# EAGLE board Mk4 Final a Panel score 2x5 (EAGLE 9.0.1), part 28 of 29
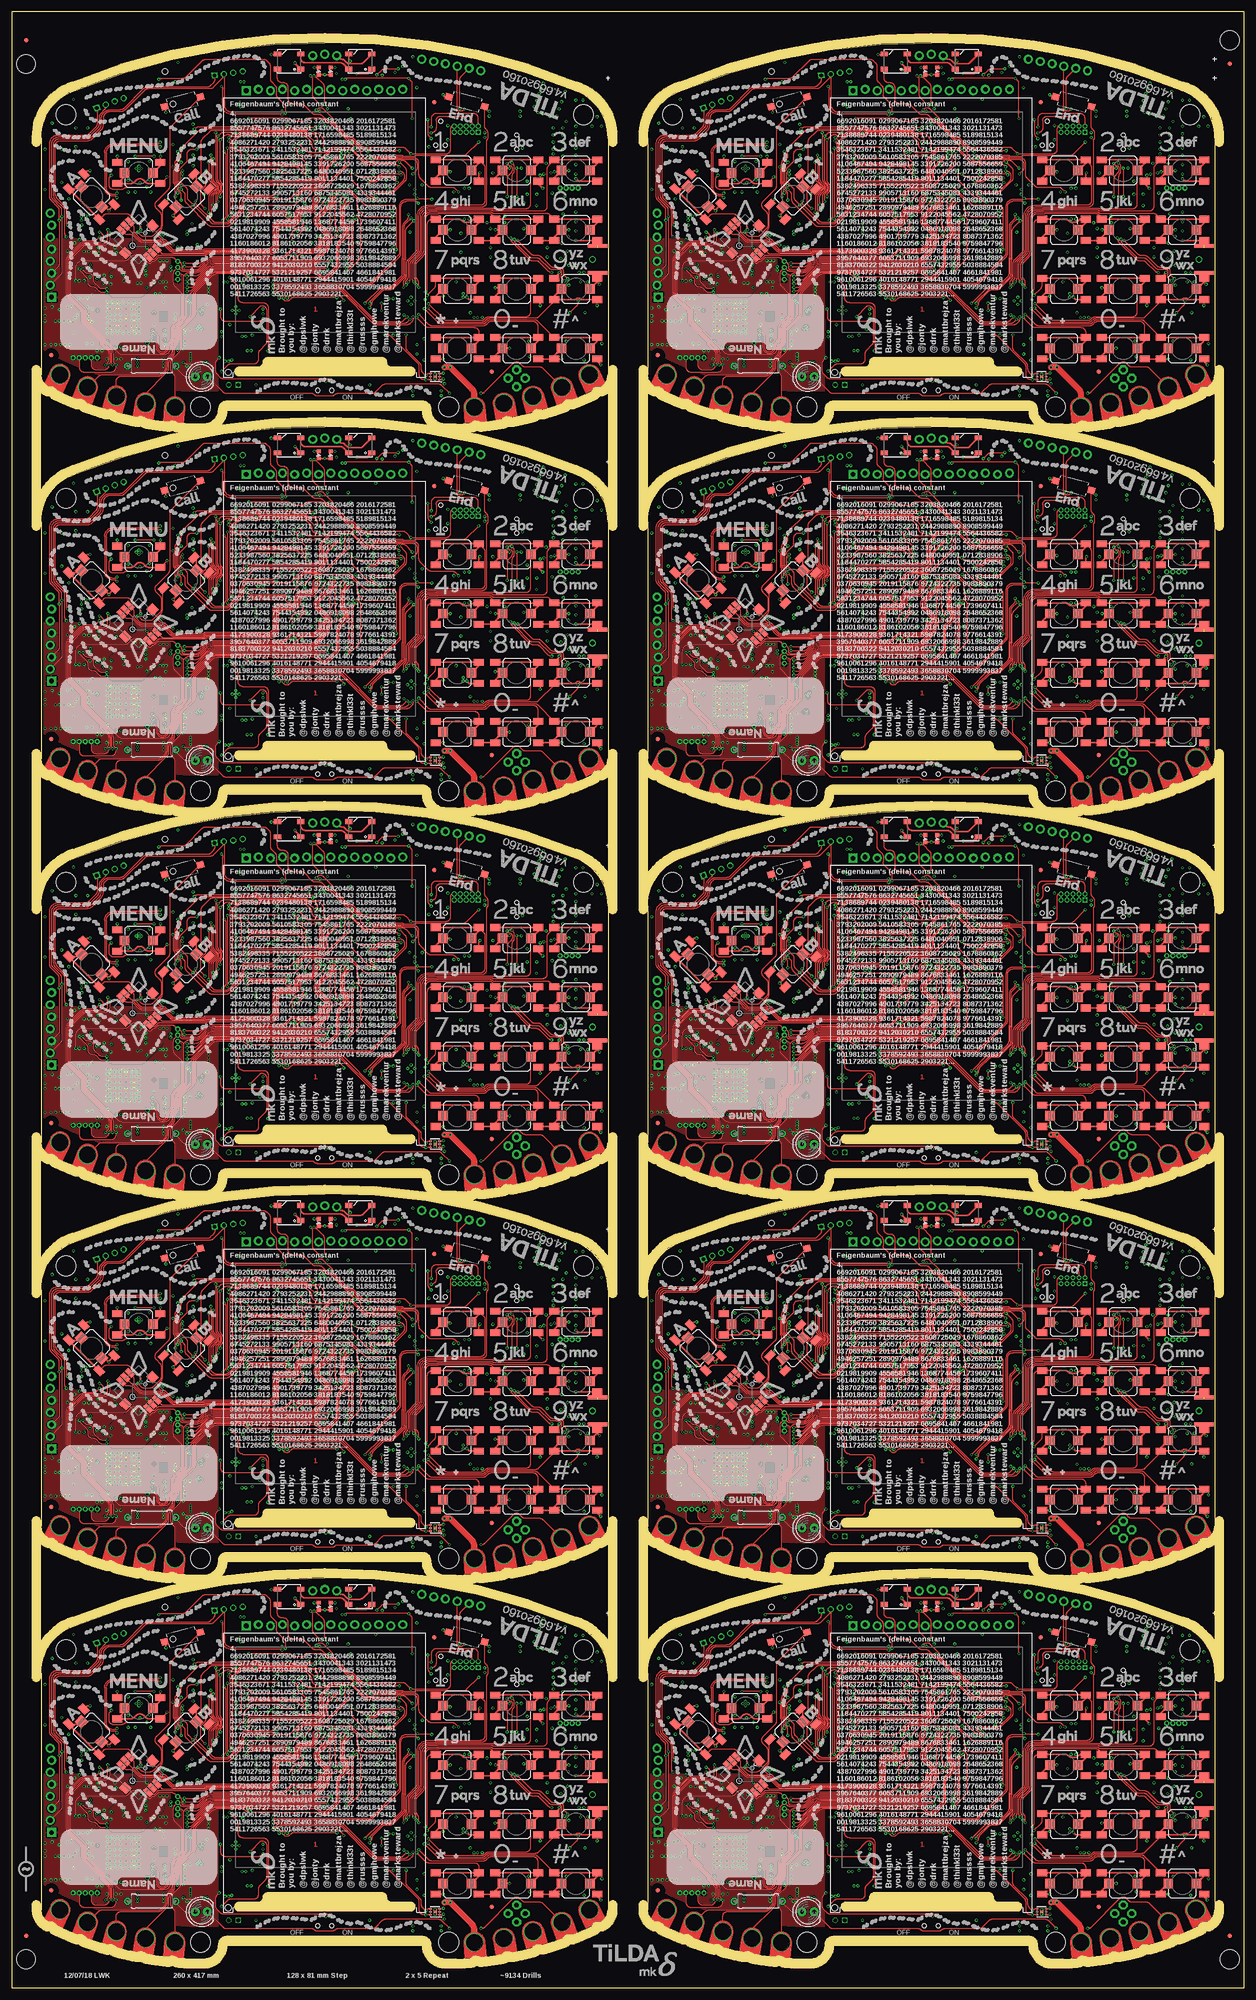
[diagram p0: board, top side]
## Tracks (layer width: path | path; a pad name or v marks a point on that pad's centre or on a via) (continued)
USB_SHIELD7 (continued)
  Bottom 0.3: U22.SHIELD@5 208.1,324.91 arc45 208.39,325.61 U22.SHIELD@2 | U22.SHIELD@2 205.84,326.72 U22.SHIELD@1 203.59,326.91 203.41,327.09 U22.SHIELD@0 202.96,327.28 U22.SHIELD@3 201.12,326.57 U22.SHIELD | R559.1 210.62,327.5 C778.2 209.04,327.38 U22.SHIELD@2
USB_SHIELD8
  Bottom 0.3: U25.SHIELD@5 80.1,405.91 arc45 80.39,406.61 U25.SHIELD@2 | U25.SHIELD@2 77.84,407.72 U25.SHIELD@1 75.59,407.91 75.41,408.09 U25.SHIELD@0 74.96,408.28 U25.SHIELD@3 73.12,407.57 U25.SHIELD | R637.1 82.62,408.5 C886.2 81.04,408.38 U25.SHIELD@2
USB_SHIELD9
  Bottom 0.3: U28.SHIELD@5 208.1,405.91 arc45 208.39,406.61 U28.SHIELD@2 | U28.SHIELD@2 205.84,407.72 U28.SHIELD@1 203.59,407.91 203.41,408.09 U28.SHIELD@0 202.96,408.28 U28.SHIELD@3 201.12,407.57 U28.SHIELD | R715.1 210.62,408.5 C994.2 209.04,408.38 U28.SHIELD@2
V_UNREG  (via drill 0.3)
  Top 0.2: v54,21.45 v54,21.44 54.08,21.52 54.08,30.6 arc90 53.08,31.6 48.75,31.6 arc-90 47.75,32.6 47.75,34.74 arc45 47.46,35.44 v45.95,36.95
  Top 1.25: 97.62,11.38 97.62,12.05 arc45 97.03,13.47 v92.5,18 v91.25,18
  Top 1.5: PCB.VBATT 97.62,11.38
  3V3@2 1.25: v49.7,21.5 v50.5,21.5 50.55,21.45 v54,21.45 79,21.45 81.25,19.2 85.55,19.2 86.75,18 v91.25,18 v92.5,18
  Bottom 0.2: 47.5,27.45 IC8.15 47.5,27 | IC8.16 47,27 | R18.2 arc90 47.05,37.2 46.55,37.2 arc45 v45.95,36.95
  Bottom 0.4: TP18.TP v50.5,21.5
  pour Bottom (no thermals): 41.5,25 41.5,24 arc90 42,23.5 43,23.5 arc-90 43.5,23 43.5,21.5 47,21.5 47.35,21.15 arc45 47.71,21 50.5,21 arc90 51,21.5 arc90 50.5,22 48.12,22 arc-48 47.75,22.17 47.13,22.86 arc-42 47,23.19 47,23.29 arc-45 47.15,23.65 47.4,23.9 arc45 47.55,24.26 47.55,27.45 47.5,27.5 47,27.5 46.7,27.2 46.7,24.45 46.15,23.9 arc-45 45.79,23.75 44.21,23.75 arc-45 43.85,23.9 43.5,24.25 43.5,25
V_UNREG1  (via drill 0.3)
  Top 0.2: v182,21.45 v182,21.44 182.07,21.52 182.07,30.6 arc90 181.07,31.6 176.75,31.6 arc-90 175.75,32.6 175.75,34.74 arc45 175.46,35.44 v173.95,36.95
  Top 1.25: 225.62,11.38 225.62,12.05 arc45 225.03,13.47 v220.5,18 v219.25,18
  Top 1.5: PCB1.VBATT 225.62,11.38
  3V3@2 1.25: v177.7,21.5 v178.5,21.5 178.55,21.45 v182,21.45 207,21.45 209.25,19.2 213.55,19.2 214.75,18 v219.25,18 v220.5,18
  Bottom 0.2: 175.5,27.45 IC24.15 175.5,27 | IC24.16 175,27 | R100.2 arc90 175.05,37.2 174.55,37.2 arc45 v173.95,36.95
  Bottom 0.4: TP37.TP v178.5,21.5
  pour Bottom (no thermals): 169.5,25 169.5,24 arc90 170,23.5 171,23.5 arc-90 171.5,23 171.5,21.5 175,21.5 175.35,21.15 arc45 175.71,21 178.5,21 arc90 179,21.5 arc90 178.5,22 176.12,22 arc-48 175.75,22.17 175.13,22.86 arc-42 175,23.19 175,23.29 arc-45 175.15,23.65 175.4,23.9 arc45 175.55,24.26 175.55,27.45 175.5,27.5 175,27.5 174.7,27.2 174.7,24.45 174.15,23.9 arc-45 173.79,23.75 172.21,23.75 arc-45 171.85,23.9 171.5,24.25 171.5,25
V_UNREG2  (via drill 0.3)
  Top 0.2: v54,102.45 v54,102.44 54.08,102.52 54.08,111.6 arc90 53.08,112.6 48.75,112.6 arc-90 47.75,113.6 47.75,115.74 arc45 47.46,116.44 v45.95,117.95
  Top 1.25: 97.62,92.38 97.62,93.06 arc45 97.03,94.47 v92.5,99 v91.25,99
  Top 1.5: PCB2.VBATT 97.62,92.38
  3V3@2 1.25: v49.7,102.5 v50.5,102.5 50.55,102.45 v54,102.45 79,102.45 81.25,100.2 85.55,100.2 86.75,99 v91.25,99 v92.5,99
  Bottom 0.2: 47.5,108.45 IC42.15 47.5,108 | IC42.16 47,108 | R178.2 arc90 47.05,118.2 46.55,118.2 arc45 v45.95,117.95
  Bottom 0.4: TP56.TP v50.5,102.5
  pour Bottom (no thermals): 41.5,106 41.5,105 arc90 42,104.5 43,104.5 arc-90 43.5,104 43.5,102.5 47,102.5 47.35,102.15 arc45 47.71,102 50.5,102 arc90 51,102.5 arc90 50.5,103 48.12,103 arc-48 47.75,103.17 47.13,103.86 arc-42 47,104.19 47,104.29 arc-45 47.15,104.65 47.4,104.9 arc45 47.55,105.26 47.55,108.45 47.5,108.5 47,108.5 46.7,108.2 46.7,105.45 46.15,104.9 arc-45 45.79,104.75 44.21,104.75 arc-45 43.85,104.9 43.5,105.25 43.5,106
V_UNREG3  (via drill 0.3)
  Top 0.2: v182,102.45 v182,102.44 182.07,102.52 182.07,111.6 arc90 181.07,112.6 176.75,112.6 arc-90 175.75,113.6 175.75,115.74 arc45 175.46,116.44 v173.95,117.95
  Top 1.25: 225.62,92.38 225.62,93.06 arc45 225.03,94.47 v220.5,99 v219.25,99
  Top 1.5: PCB3.VBATT 225.62,92.38
  3V3@2 1.25: v177.7,102.5 v178.5,102.5 178.55,102.45 v182,102.45 207,102.45 209.25,100.2 213.55,100.2 214.75,99 v219.25,99 v220.5,99
  Bottom 0.2: 175.5,108.45 IC60.15 175.5,108 | IC60.16 175,108 | R256.2 arc90 175.05,118.2 174.55,118.2 arc45 v173.95,117.95
  Bottom 0.4: TP75.TP v178.5,102.5
  pour Bottom (no thermals): 169.5,106 169.5,105 arc90 170,104.5 171,104.5 arc-90 171.5,104 171.5,102.5 175,102.5 175.35,102.15 arc45 175.71,102 178.5,102 arc90 179,102.5 arc90 178.5,103 176.12,103 arc-48 175.75,103.17 175.13,103.86 arc-42 175,104.19 175,104.29 arc-45 175.15,104.65 175.4,104.9 arc45 175.55,105.26 175.55,108.45 175.5,108.5 175,108.5 174.7,108.2 174.7,105.45 174.15,104.9 arc-45 173.79,104.75 172.21,104.75 arc-45 171.85,104.9 171.5,105.25 171.5,106
V_UNREG4  (via drill 0.3)
  Top 0.2: v54,183.45 v54,183.44 54.08,183.51 54.08,192.6 arc90 53.08,193.6 48.75,193.6 arc-90 47.75,194.6 47.75,196.74 arc45 47.46,197.44 v45.95,198.95
  Top 1.25: 97.62,173.38 97.62,174.06 arc45 97.03,175.47 v92.5,180 v91.25,180
  Top 1.5: PCB4.VBATT 97.62,173.38
  3V3@2 1.25: v49.7,183.5 v50.5,183.5 50.55,183.45 v54,183.45 79,183.45 81.25,181.2 85.55,181.2 86.75,180 v91.25,180 v92.5,180
  Bottom 0.2: 47.5,189.45 IC78.15 47.5,189 | IC78.16 47,189 | R334.2 arc90 47.05,199.2 46.55,199.2 arc45 v45.95,198.95
  Bottom 0.4: TP94.TP v50.5,183.5
  pour Bottom (no thermals): 41.5,187 41.5,186 arc90 42,185.5 43,185.5 arc-90 43.5,185 43.5,183.5 47,183.5 47.35,183.15 arc45 47.71,183 50.5,183 arc90 51,183.5 arc90 50.5,184 48.12,184 arc-48 47.75,184.17 47.13,184.86 arc-42 47,185.19 47,185.29 arc-45 47.15,185.65 47.4,185.9 arc45 47.55,186.26 47.55,189.45 47.5,189.5 47,189.5 46.7,189.2 46.7,186.45 46.15,185.9 arc-45 45.79,185.75 44.21,185.75 arc-45 43.85,185.9 43.5,186.25 43.5,187
V_UNREG5  (via drill 0.3)
  Top 0.2: v182,183.45 v182,183.44 182.07,183.51 182.07,192.6 arc90 181.07,193.6 176.75,193.6 arc-90 175.75,194.6 175.75,196.74 arc45 175.46,197.44 v173.95,198.95
  Top 1.25: 225.62,173.38 225.62,174.06 arc45 225.03,175.47 v220.5,180 v219.25,180
  Top 1.5: PCB5.VBATT 225.62,173.38
  3V3@2 1.25: v177.7,183.5 v178.5,183.5 178.55,183.45 v182,183.45 207,183.45 209.25,181.2 213.55,181.2 214.75,180 v219.25,180 v220.5,180
  Bottom 0.2: 175.5,189.45 IC96.15 175.5,189 | IC96.16 175,189 | R412.2 arc90 175.05,199.2 174.55,199.2 arc45 v173.95,198.95
  Bottom 0.4: TP113.TP v178.5,183.5
  pour Bottom (no thermals): 169.5,187 169.5,186 arc90 170,185.5 171,185.5 arc-90 171.5,185 171.5,183.5 175,183.5 175.35,183.15 arc45 175.71,183 178.5,183 arc90 179,183.5 arc90 178.5,184 176.12,184 arc-48 175.75,184.17 175.13,184.86 arc-42 175,185.19 175,185.29 arc-45 175.15,185.65 175.4,185.9 arc45 175.55,186.26 175.55,189.45 175.5,189.5 175,189.5 174.7,189.2 174.7,186.45 174.15,185.9 arc-45 173.79,185.75 172.21,185.75 arc-45 171.85,185.9 171.5,186.25 171.5,187
V_UNREG6  (via drill 0.3)
  Top 0.2: v54,264.45 v54,264.44 54.08,264.51 54.08,273.6 arc90 53.08,274.6 48.75,274.6 arc-90 47.75,275.6 47.75,277.74 arc45 47.46,278.44 v45.95,279.95
  Top 1.25: 97.62,254.38 97.62,255.06 arc45 97.03,256.47 v92.5,261 v91.25,261
  Top 1.5: PCB6.VBATT 97.62,254.38
  3V3@2 1.25: v49.7,264.5 v50.5,264.5 50.55,264.45 v54,264.45 79,264.45 81.25,262.2 85.55,262.2 86.75,261 v91.25,261 v92.5,261
  Bottom 0.2: 47.5,270.45 IC114.15 47.5,270 | IC114.16 47,270 | R490.2 arc90 47.05,280.2 46.55,280.2 arc45 v45.95,279.95
  Bottom 0.4: TP132.TP v50.5,264.5
  pour Bottom (no thermals): 41.5,268 41.5,267 arc90 42,266.5 43,266.5 arc-90 43.5,266 43.5,264.5 47,264.5 47.35,264.15 arc45 47.71,264 50.5,264 arc90 51,264.5 arc90 50.5,265 48.12,265 arc-48 47.75,265.17 47.13,265.86 arc-42 47,266.19 47,266.29 arc-45 47.15,266.65 47.4,266.9 arc45 47.55,267.26 47.55,270.45 47.5,270.5 47,270.5 46.7,270.2 46.7,267.45 46.15,266.9 arc-45 45.79,266.75 44.21,266.75 arc-45 43.85,266.9 43.5,267.25 43.5,268
V_UNREG7  (via drill 0.3)
  Top 0.2: v182,264.45 v182,264.44 182.07,264.51 182.07,273.6 arc90 181.07,274.6 176.75,274.6 arc-90 175.75,275.6 175.75,277.74 arc45 175.46,278.44 v173.95,279.95
  Top 1.25: 225.62,254.38 225.62,255.06 arc45 225.03,256.47 v220.5,261 v219.25,261
  Top 1.5: PCB7.VBATT 225.62,254.38
  3V3@2 1.25: v177.7,264.5 v178.5,264.5 178.55,264.45 v182,264.45 207,264.45 209.25,262.2 213.55,262.2 214.75,261 v219.25,261 v220.5,261
  Bottom 0.2: 175.5,270.45 IC132.15 175.5,270 | IC132.16 175,270 | R568.2 arc90 175.05,280.2 174.55,280.2 arc45 v173.95,279.95
  Bottom 0.4: TP151.TP v178.5,264.5
  pour Bottom (no thermals): 169.5,268 169.5,267 arc90 170,266.5 171,266.5 arc-90 171.5,266 171.5,264.5 175,264.5 175.35,264.15 arc45 175.71,264 178.5,264 arc90 179,264.5 arc90 178.5,265 176.12,265 arc-48 175.75,265.17 175.13,265.86 arc-42 175,266.19 175,266.29 arc-45 175.15,266.65 175.4,266.9 arc45 175.55,267.26 175.55,270.45 175.5,270.5 175,270.5 174.7,270.2 174.7,267.45 174.15,266.9 arc-45 173.79,266.75 172.21,266.75 arc-45 171.85,266.9 171.5,267.25 171.5,268
V_UNREG8  (via drill 0.3)
  Top 0.2: v54,345.45 v54,345.44 54.08,345.51 54.08,354.6 arc90 53.08,355.6 48.75,355.6 arc-90 47.75,356.6 47.75,358.74 arc45 47.46,359.44 v45.95,360.95
  Top 1.25: 97.62,335.38 97.62,336.06 arc45 97.03,337.47 v92.5,342 v91.25,342
  Top 1.5: PCB8.VBATT 97.62,335.38
  3V3@2 1.25: v49.7,345.5 v50.5,345.5 50.55,345.45 v54,345.45 79,345.45 81.25,343.2 85.55,343.2 86.75,342 v91.25,342 v92.5,342
  Bottom 0.2: 47.5,351.45 IC150.15 47.5,351 | IC150.16 47,351 | R646.2 arc90 47.05,361.2 46.55,361.2 arc45 v45.95,360.95
  Bottom 0.4: TP170.TP v50.5,345.5
  pour Bottom (no thermals): 41.5,349 41.5,348 arc90 42,347.5 43,347.5 arc-90 43.5,347 43.5,345.5 47,345.5 47.35,345.15 arc45 47.71,345 50.5,345 arc90 51,345.5 arc90 50.5,346 48.12,346 arc-48 47.75,346.17 47.13,346.86 arc-42 47,347.19 47,347.29 arc-45 47.15,347.65 47.4,347.9 arc45 47.55,348.26 47.55,351.45 47.5,351.5 47,351.5 46.7,351.2 46.7,348.45 46.15,347.9 arc-45 45.79,347.75 44.21,347.75 arc-45 43.85,347.9 43.5,348.25 43.5,349
V_UNREG9  (via drill 0.3)
  Top 0.2: v182,345.45 v182,345.44 182.07,345.51 182.07,354.6 arc90 181.07,355.6 176.75,355.6 arc-90 175.75,356.6 175.75,358.74 arc45 175.46,359.44 v173.95,360.95
  Top 1.25: 225.62,335.38 225.62,336.06 arc45 225.03,337.47 v220.5,342 v219.25,342
  Top 1.5: PCB9.VBATT 225.62,335.38
  3V3@2 1.25: v177.7,345.5 v178.5,345.5 178.55,345.45 v182,345.45 207,345.45 209.25,343.2 213.55,343.2 214.75,342 v219.25,342 v220.5,342
  Bottom 0.2: 175.5,351.45 IC168.15 175.5,351 | IC168.16 175,351 | R724.2 arc90 175.05,361.2 174.55,361.2 arc45 v173.95,360.95
  Bottom 0.4: TP189.TP v178.5,345.5
  pour Bottom (no thermals): 169.5,349 169.5,348 arc90 170,347.5 171,347.5 arc-90 171.5,347 171.5,345.5 175,345.5 175.35,345.15 arc45 175.71,345 178.5,345 arc90 179,345.5 arc90 178.5,346 176.12,346 arc-48 175.75,346.17 175.13,346.86 arc-42 175,347.19 175,347.29 arc-45 175.15,347.65 175.4,347.9 arc45 175.55,348.26 175.55,351.45 175.5,351.5 175,351.5 174.7,351.2 174.7,348.45 174.15,347.9 arc-45 173.79,347.75 172.21,347.75 arc-45 171.85,347.9 171.5,348.25 171.5,349
VBAT  (via drill 0.3)
  Bottom 0.15: IC8.14 48,27.35 | 48.8,26 C35.1 | IC8.13 48.5,27.35
  Bottom 0.4: TP14.TP 49.64,23.36 arc-45 49.35,24.06 v49.35,24.5
  Bottom 1: J5.2 87.15,22.8 C34.1 | C34.1 85.6,22.65 v85.5,22.75 | C34.1 v87,24
  other vias: 48.6,24.5
  pour Bottom (no thermals): 48,27.55 48,24.2 48.2,24 49.5,24 49.75,24.3 49.75,24.75 49.25,25.25 49.25,26.9 48.6,27.55
  pour 3V3@2 (no thermals): 86.5,22 49.6,22 48.35,23.25 48.35,24.55 48.6,24.8 49.4,24.8 50.1,24 85,24 85.5,24.5 87,24.5 87.5,24 87.5,23
VBAT1  (via drill 0.3)
  Bottom 0.15: IC24.14 176,27.35 | 176.8,26 C147.1 | IC24.13 176.5,27.35
  Bottom 0.4: TP33.TP 177.64,23.36 arc-45 177.35,24.06 v177.35,24.5
  Bottom 1: J12.2 215.15,22.8 C146.1 | C146.1 213.6,22.65 v213.5,22.75 | C146.1 v215,24
  other vias: 176.6,24.5
  pour Bottom (no thermals): 176,27.55 176,24.2 176.2,24 177.5,24 177.75,24.3 177.75,24.75 177.25,25.25 177.25,26.9 176.6,27.55
  pour 3V3@2 (no thermals): 214.5,22 177.6,22 176.35,23.25 176.35,24.55 176.6,24.8 177.4,24.8 178.1,24 213,24 213.5,24.5 215,24.5 215.5,24 215.5,23
VBAT2  (via drill 0.3)
  Bottom 0.15: IC42.14 48,108.35 | 48.8,107 C255.1 | IC42.13 48.5,108.35
  Bottom 0.4: TP52.TP 49.64,104.36 arc-45 49.35,105.06 v49.35,105.5
  Bottom 1: J22.2 87.15,103.8 C254.1 | C254.1 85.6,103.65 v85.5,103.75 | C254.1 v87,105
  other vias: 48.6,105.5
  pour Bottom (no thermals): 48,108.55 48,105.2 48.2,105 49.5,105 49.75,105.3 49.75,105.75 49.25,106.25 49.25,107.9 48.6,108.55
  pour 3V3@2 (no thermals): 86.5,103 49.6,103 48.35,104.25 48.35,105.55 48.6,105.8 49.4,105.8 50.1,105 85,105 85.5,105.5 87,105.5 87.5,105 87.5,104
VBAT3  (via drill 0.3)
  Bottom 0.15: IC60.14 176,108.35 | 176.8,107 C363.1 | IC60.13 176.5,108.35
  Bottom 0.4: TP71.TP 177.64,104.36 arc-45 177.35,105.06 v177.35,105.5
  Bottom 1: J32.2 215.15,103.8 C362.1 | C362.1 213.6,103.65 v213.5,103.75 | C362.1 v215,105
  other vias: 176.6,105.5
  pour Bottom (no thermals): 176,108.55 176,105.2 176.2,105 177.5,105 177.75,105.3 177.75,105.75 177.25,106.25 177.25,107.9 176.6,108.55
  pour 3V3@2 (no thermals): 214.5,103 177.6,103 176.35,104.25 176.35,105.55 176.6,105.8 177.4,105.8 178.1,105 213,105 213.5,105.5 215,105.5 215.5,105 215.5,104
VBAT4  (via drill 0.3)
  Bottom 0.15: IC78.14 48,189.35 | 48.8,188 C471.1 | IC78.13 48.5,189.35
  Bottom 0.4: TP90.TP 49.64,185.36 arc-45 49.35,186.06 v49.35,186.5
  Bottom 1: J42.2 87.15,184.8 C470.1 | C470.1 85.6,184.65 v85.5,184.75 | C470.1 v87,186
  other vias: 48.6,186.5
  pour Bottom (no thermals): 48,189.55 48,186.2 48.2,186 49.5,186 49.75,186.3 49.75,186.75 49.25,187.25 49.25,188.9 48.6,189.55
  pour 3V3@2 (no thermals): 86.5,184 49.6,184 48.35,185.25 48.35,186.55 48.6,186.8 49.4,186.8 50.1,186 85,186 85.5,186.5 87,186.5 87.5,186 87.5,185
VBAT5  (via drill 0.3)
  Bottom 0.15: IC96.14 176,189.35 | 176.8,188 C579.1 | IC96.13 176.5,189.35
  Bottom 0.4: TP109.TP 177.64,185.36 arc-45 177.35,186.06 v177.35,186.5
  Bottom 1: J52.2 215.15,184.8 C578.1 | C578.1 213.6,184.65 v213.5,184.75 | C578.1 v215,186
  other vias: 176.6,186.5
  pour Bottom (no thermals): 176,189.55 176,186.2 176.2,186 177.5,186 177.75,186.3 177.75,186.75 177.25,187.25 177.25,188.9 176.6,189.55
  pour 3V3@2 (no thermals): 214.5,184 177.6,184 176.35,185.25 176.35,186.55 176.6,186.8 177.4,186.8 178.1,186 213,186 213.5,186.5 215,186.5 215.5,186 215.5,185
VBAT6  (via drill 0.3)
  Bottom 0.15: IC114.14 48,270.35 | 48.8,269 C687.1 | IC114.13 48.5,270.35
  Bottom 0.4: TP128.TP 49.64,266.36 arc-45 49.35,267.06 v49.35,267.5
  Bottom 1: J62.2 87.15,265.8 C686.1 | C686.1 85.6,265.65 v85.5,265.75 | C686.1 v87,267
  other vias: 48.6,267.5
  pour Bottom (no thermals): 48,270.55 48,267.2 48.2,267 49.5,267 49.75,267.3 49.75,267.75 49.25,268.25 49.25,269.9 48.6,270.55
  pour 3V3@2 (no thermals): 86.5,265 49.6,265 48.35,266.25 48.35,267.55 48.6,267.8 49.4,267.8 50.1,267 85,267 85.5,267.5 87,267.5 87.5,267 87.5,266
VBAT7  (via drill 0.3)
  Bottom 0.15: IC132.14 176,270.35 | 176.8,269 C795.1 | IC132.13 176.5,270.35
  Bottom 0.4: TP147.TP 177.64,266.36 arc-45 177.35,267.06 v177.35,267.5
  Bottom 1: J72.2 215.15,265.8 C794.1 | C794.1 213.6,265.65 v213.5,265.75 | C794.1 v215,267
  other vias: 176.6,267.5
  pour Bottom (no thermals): 176,270.55 176,267.2 176.2,267 177.5,267 177.75,267.3 177.75,267.75 177.25,268.25 177.25,269.9 176.6,270.55
  pour 3V3@2 (no thermals): 214.5,265 177.6,265 176.35,266.25 176.35,267.55 176.6,267.8 177.4,267.8 178.1,267 213,267 213.5,267.5 215,267.5 215.5,267 215.5,266
VBAT8  (via drill 0.3)
  Bottom 0.15: IC150.14 48,351.35 | 48.8,350 C903.1 | IC150.13 48.5,351.35
  Bottom 0.4: TP166.TP 49.64,347.36 arc-45 49.35,348.06 v49.35,348.5
  Bottom 1: J82.2 87.15,346.8 C902.1 | C902.1 85.6,346.65 v85.5,346.75 | C902.1 v87,348
  other vias: 48.6,348.5
  pour Bottom (no thermals): 48,351.55 48,348.2 48.2,348 49.5,348 49.75,348.3 49.75,348.75 49.25,349.25 49.25,350.9 48.6,351.55
  pour 3V3@2 (no thermals): 86.5,346 49.6,346 48.35,347.25 48.35,348.55 48.6,348.8 49.4,348.8 50.1,348 85,348 85.5,348.5 87,348.5 87.5,348 87.5,347
VBAT9  (via drill 0.3)
  Bottom 0.15: IC168.14 176,351.35 | 176.8,350 C1011.1 | IC168.13 176.5,351.35
  Bottom 0.4: TP185.TP 177.64,347.36 arc-45 177.35,348.06 v177.35,348.5
  Bottom 1: J92.2 215.15,346.8 C1010.1 | C1010.1 213.6,346.65 v213.5,346.75 | C1010.1 v215,348
  other vias: 176.6,348.5
  pour Bottom (no thermals): 176,351.55 176,348.2 176.2,348 177.5,348 177.75,348.3 177.75,348.75 177.25,349.25 177.25,350.9 176.6,351.55
  pour 3V3@2 (no thermals): 214.5,346 177.6,346 176.35,347.25 176.35,348.55 176.6,348.8 177.4,348.8 178.1,348 213,348 213.5,348.5 215,348.5 215.5,348 215.5,347
VBATT  (via drill 0.3)
  Top 0.15: v36.2,19 arc45 36.68,18.8 40.3,18.8 v40.5,19
  Top 0.5: LED2.1 75.34,80.29 arc-45 74.64,80 v72.75,80 | LED1.1 59.75,82.1 v59.75,82.25
  3V3@2 0.5: 65.25,82.25 70.5,82.25 v72.75,80
  3V3@2 1: JP2.2 66,83 65.25,82.25 v59.75,82.25 41.5,82.25 38.5,79.25 38.5,72 37,70.5 v37,46.65 v37,46.05 | v41.25,19 v40.5,19 40.5,24.41 41.2,25.11 41.2,26.55 38.62,29.12 38.62,30.62 39.5,31.5 v39.5,43.3 39.5,43.5 v39.15,43.85
  Bottom 0.25: IC9.1 36.96,19.35 arc45 36.26,19.06 v36.2,19
  Bottom 0.4: TP15.TP v46.4,19.5
  Bottom 0.5: C1.1 60.62,82.25 v59.75,82.25
  Bottom 1: v37,46.65 v37,46.05 37,46 v39.15,43.85 39.5,43.5 v39.5,43.3
  other vias: 45.75,19.25 45,19.25 99.25,28.5 96.75,29.5 98.25,28.5 97.5,28.5
  pour Bottom (no thermals): 45.35,20.4 46.8,20.4 46.8,19.05 arc-90 46.3,18.55 40.65,18.55 40.65,19.5 44.85,19.5 arc90 45.35,20
  pour Bottom (no thermals): 99.09,28.25 97.25,28.25 arc-90 96.25,29.25 96.25,30 arc-90 97.25,31 107,31 arc90 108,32 108,35.25 arc-90 109,36.25 109.25,36.25 109.5,36.5 109.5,39 111,39 111,36.8 arc-90 110,35.8 109.75,35.8 arc90 108.75,34.8 108.75,30 arc-90 107.75,29 100.66,29 arc45 99.96,28.71 99.79,28.54 arc-45
  pour 3V3@2 (no thermals): 98,31.5 100.5,31.5 101.5,30.5 101.5,29 101,28.5 91.5,28.5 89.5,26.5 48,26.5 46.8,25.4 46.8,19.6 46.3,19 45,19 44.75,19.25 44.75,26.5 46.25,28 88,28 90.5,30.5 97,30.5
  pour Bottom (no thermals): 38.2,19.9 38.2,19.8 38.75,19.8 39.1,19.45 39.1,19.05 arc90 39.6,18.55 40.8,18.55 40.8,19.5 40.15,19.5 39.8,19.85 39,19.85 38.95,19.9
VBATT1  (via drill 0.3)
  Top 0.15: v164.2,19 arc45 164.68,18.8 168.3,18.8 v168.5,19
  Top 0.5: LED8.1 203.34,80.29 arc-45 202.64,80 v200.75,80 | LED7.1 187.75,82.1 v187.75,82.25
  3V3@2 0.5: 193.25,82.25 198.5,82.25 v200.75,80
  3V3@2 1: JP11.2 194,83 193.25,82.25 v187.75,82.25 169.5,82.25 166.5,79.25 166.5,72 165,70.5 v165,46.65 v165,46.05 | v169.25,19 v168.5,19 168.5,24.41 169.2,25.11 169.2,26.55 166.62,29.12 166.62,30.62 167.5,31.5 v167.5,43.3 167.5,43.5 v167.15,43.85
  Bottom 0.25: IC33.1 164.96,19.35 arc45 164.26,19.06 v164.2,19
  Bottom 0.4: TP34.TP v174.4,19.5
  Bottom 0.5: C111.1 188.62,82.25 v187.75,82.25
  Bottom 1: v165,46.65 v165,46.05 165,46 v167.15,43.85 167.5,43.5 v167.5,43.3
  other vias: 173.75,19.25 173,19.25 227.25,28.5 224.75,29.5 226.25,28.5 225.5,28.5
  pour Bottom (no thermals): 173.35,20.4 174.8,20.4 174.8,19.05 arc-90 174.3,18.55 168.65,18.55 168.65,19.5 172.85,19.5 arc90 173.35,20
  pour Bottom (no thermals): 227.09,28.25 225.25,28.25 arc-90 224.25,29.25 224.25,30 arc-90 225.25,31 235,31 arc90 236,32 236,35.25 arc-90 237,36.25 237.25,36.25 237.5,36.5 237.5,39 239,39 239,36.8 arc-90 238,35.8 237.75,35.8 arc90 236.75,34.8 236.75,30 arc-90 235.75,29 228.66,29 arc45 227.96,28.71 227.79,28.54 arc-45
  pour 3V3@2 (no thermals): 226,31.5 228.5,31.5 229.5,30.5 229.5,29 229,28.5 219.5,28.5 217.5,26.5 176,26.5 174.8,25.4 174.8,19.6 174.3,19 173,19 172.75,19.25 172.75,26.5 174.25,28 216,28 218.5,30.5 225,30.5
  pour Bottom (no thermals): 166.2,19.9 166.2,19.8 166.75,19.8 167.1,19.45 167.1,19.05 arc90 167.6,18.55 168.8,18.55 168.8,19.5 168.15,19.5 167.8,19.85 167,19.85 166.95,19.9
VBATT2  (via drill 0.3)
  Top 0.15: v36.2,100 arc45 36.68,99.8 40.3,99.8 v40.5,100
  Top 0.5: LED14.1 75.34,161.29 arc-45 74.64,161 v72.75,161 | LED13.1 59.75,163.1 v59.75,163.25
  3V3@2 0.5: 65.25,163.25 70.5,163.25 v72.75,161
  3V3@2 1: JP20.2 66,164 65.25,163.25 v59.75,163.25 41.5,163.25 38.5,160.25 38.5,153 37,151.5 v37,127.65 v37,127.05 | v41.25,100 v40.5,100 40.5,105.41 41.2,106.11 41.2,107.55 38.62,110.12 38.62,111.62 39.5,112.5 v39.5,124.3 39.5,124.5 v39.15,124.85
  Bottom 0.25: IC51.1 36.96,100.35 arc45 36.26,100.06 v36.2,100
  Bottom 0.4: TP53.TP v46.4,100.5
  Bottom 0.5: C219.1 60.62,163.25 v59.75,163.25
  Bottom 1: v37,127.65 v37,127.05 37,127 v39.15,124.85 39.5,124.5 v39.5,124.3
  other vias: 45.75,100.25 45,100.25 99.25,109.5 96.75,110.5 98.25,109.5 97.5,109.5
  pour Bottom (no thermals): 45.35,101.4 46.8,101.4 46.8,100.05 arc-90 46.3,99.55 40.65,99.55 40.65,100.5 44.85,100.5 arc90 45.35,101
  pour Bottom (no thermals): 99.09,109.25 97.25,109.25 arc-90 96.25,110.25 96.25,111 arc-90 97.25,112 107,112 arc90 108,113 108,116.25 arc-90 109,117.25 109.25,117.25 109.5,117.5 109.5,120 111,120 111,117.8 arc-90 110,116.8 109.75,116.8 arc90 108.75,115.8 108.75,111 arc-90 107.75,110 100.66,110 arc45 99.96,109.71 99.79,109.54 arc-45
  pour 3V3@2 (no thermals): 98,112.5 100.5,112.5 101.5,111.5 101.5,110 101,109.5 91.5,109.5 89.5,107.5 48,107.5 46.8,106.4 46.8,100.6 46.3,100 45,100 44.75,100.25 44.75,107.5 46.25,109 88,109 90.5,111.5 97,111.5
  pour Bottom (no thermals): 38.2,100.9 38.2,100.8 38.75,100.8 39.1,100.45 39.1,100.05 arc90 39.6,99.55 40.8,99.55 40.8,100.5 40.15,100.5 39.8,100.85 39,100.85 38.95,100.9
VBATT3  (via drill 0.3)
  Top 0.15: v164.2,100 arc45 164.68,99.8 168.3,99.8 v168.5,100
  Top 0.5: LED20.1 203.34,161.29 arc-45 202.64,161 v200.75,161 | LED19.1 187.75,163.1 v187.75,163.25
  3V3@2 0.5: 193.25,163.25 198.5,163.25 v200.75,161
  3V3@2 1: JP29.2 194,164 193.25,163.25 v187.75,163.25 169.5,163.25 166.5,160.25 166.5,153 165,151.5 v165,127.65 v165,127.05 | v169.25,100 v168.5,100 168.5,105.41 169.2,106.11 169.2,107.55 166.62,110.12 166.62,111.62 167.5,112.5 v167.5,124.3 167.5,124.5 v167.15,124.85
  Bottom 0.25: IC69.1 164.96,100.35 arc45 164.26,100.06 v164.2,100
  Bottom 0.4: TP72.TP v174.4,100.5
  Bottom 0.5: C327.1 188.62,163.25 v187.75,163.25
  Bottom 1: v165,127.65 v165,127.05 165,127 v167.15,124.85 167.5,124.5 v167.5,124.3
  other vias: 173.75,100.25 173,100.25 227.25,109.5 224.75,110.5 226.25,109.5 225.5,109.5
  pour Bottom (no thermals): 173.35,101.4 174.8,101.4 174.8,100.05 arc-90 174.3,99.55 168.65,99.55 168.65,100.5 172.85,100.5 arc90 173.35,101
  pour Bottom (no thermals): 227.09,109.25 225.25,109.25 arc-90 224.25,110.25 224.25,111 arc-90 225.25,112 235,112 arc90 236,113 236,116.25 arc-90 237,117.25 237.25,117.25 237.5,117.5 237.5,120 239,120 239,117.8 arc-90 238,116.8 237.75,116.8 arc90 236.75,115.8 236.75,111 arc-90 235.75,110 228.66,110 arc45 227.96,109.71 227.79,109.54 arc-45
  pour 3V3@2 (no thermals): 226,112.5 228.5,112.5 229.5,111.5 229.5,110 229,109.5 219.5,109.5 217.5,107.5 176,107.5 174.8,106.4 174.8,100.6 174.3,100 173,100 172.75,100.25 172.75,107.5 174.25,109 216,109 218.5,111.5 225,111.5
  pour Bottom (no thermals): 166.2,100.9 166.2,100.8 166.75,100.8 167.1,100.45 167.1,100.05 arc90 167.6,99.55 168.8,99.55 168.8,100.5 168.15,100.5 167.8,100.85 167,100.85 166.95,100.9
VBATT4  (via drill 0.3)
  Top 0.15: v36.2,181 arc45 36.68,180.8 40.3,180.8 v40.5,181
  Top 0.5: LED26.1 75.34,242.29 arc-45 74.64,242 v72.75,242 | LED25.1 59.75,244.1 v59.75,244.25
  3V3@2 0.5: 65.25,244.25 70.5,244.25 v72.75,242
  3V3@2 1: JP38.2 66,245 65.25,244.25 v59.75,244.25 41.5,244.25 38.5,241.25 38.5,234 37,232.5 v37,208.65 v37,208.05 | v41.25,181 v40.5,181 40.5,186.41 41.2,187.11 41.2,188.55 38.62,191.12 38.62,192.62 39.5,193.5 v39.5,205.3 39.5,205.5 v39.15,205.85
  Bottom 0.25: IC87.1 36.96,181.35 arc45 36.26,181.06 v36.2,181
  Bottom 0.4: TP91.TP v46.4,181.5
  Bottom 0.5: C435.1 60.62,244.25 v59.75,244.25
  Bottom 1: v37,208.65 v37,208.05 37,208 v39.15,205.85 39.5,205.5 v39.5,205.3
  other vias: 45.75,181.25 45,181.25 99.25,190.5 96.75,191.5 98.25,190.5 97.5,190.5
  pour Bottom (no thermals): 45.35,182.4 46.8,182.4 46.8,181.05 arc-90 46.3,180.55 40.65,180.55 40.65,181.5 44.85,181.5 arc90 45.35,182
  pour Bottom (no thermals): 99.09,190.25 97.25,190.25 arc-90 96.25,191.25 96.25,192 arc-90 97.25,193 107,193 arc90 108,194 108,197.25 arc-90 109,198.25 109.25,198.25 109.5,198.5 109.5,201 111,201 111,198.8 arc-90 110,197.8 109.75,197.8 arc90 108.75,196.8 108.75,192 arc-90 107.75,191 100.66,191 arc45 99.96,190.71 99.79,190.54 arc-45
  pour 3V3@2 (no thermals): 98,193.5 100.5,193.5 101.5,192.5 101.5,191 101,190.5 91.5,190.5 89.5,188.5 48,188.5 46.8,187.4 46.8,181.6 46.3,181 45,181 44.75,181.25 44.75,188.5 46.25,190 88,190 90.5,192.5 97,192.5